# Altium PCB Bran_Main_Assay_PCB_v2.PcbDoc (part 2 of 15)
Units mil, origin at the board's own origin, x right, y up, seen from the top; angles counter-clockwise.
Board outline 3608.46 x 1899.79 mil, 6 copper layers (TOP, GND1, Singal, POWER, GND2, BOTTOM), stack 31.508 mil thick; 363 components, 288 nets, 1386 pads, 975 vias.
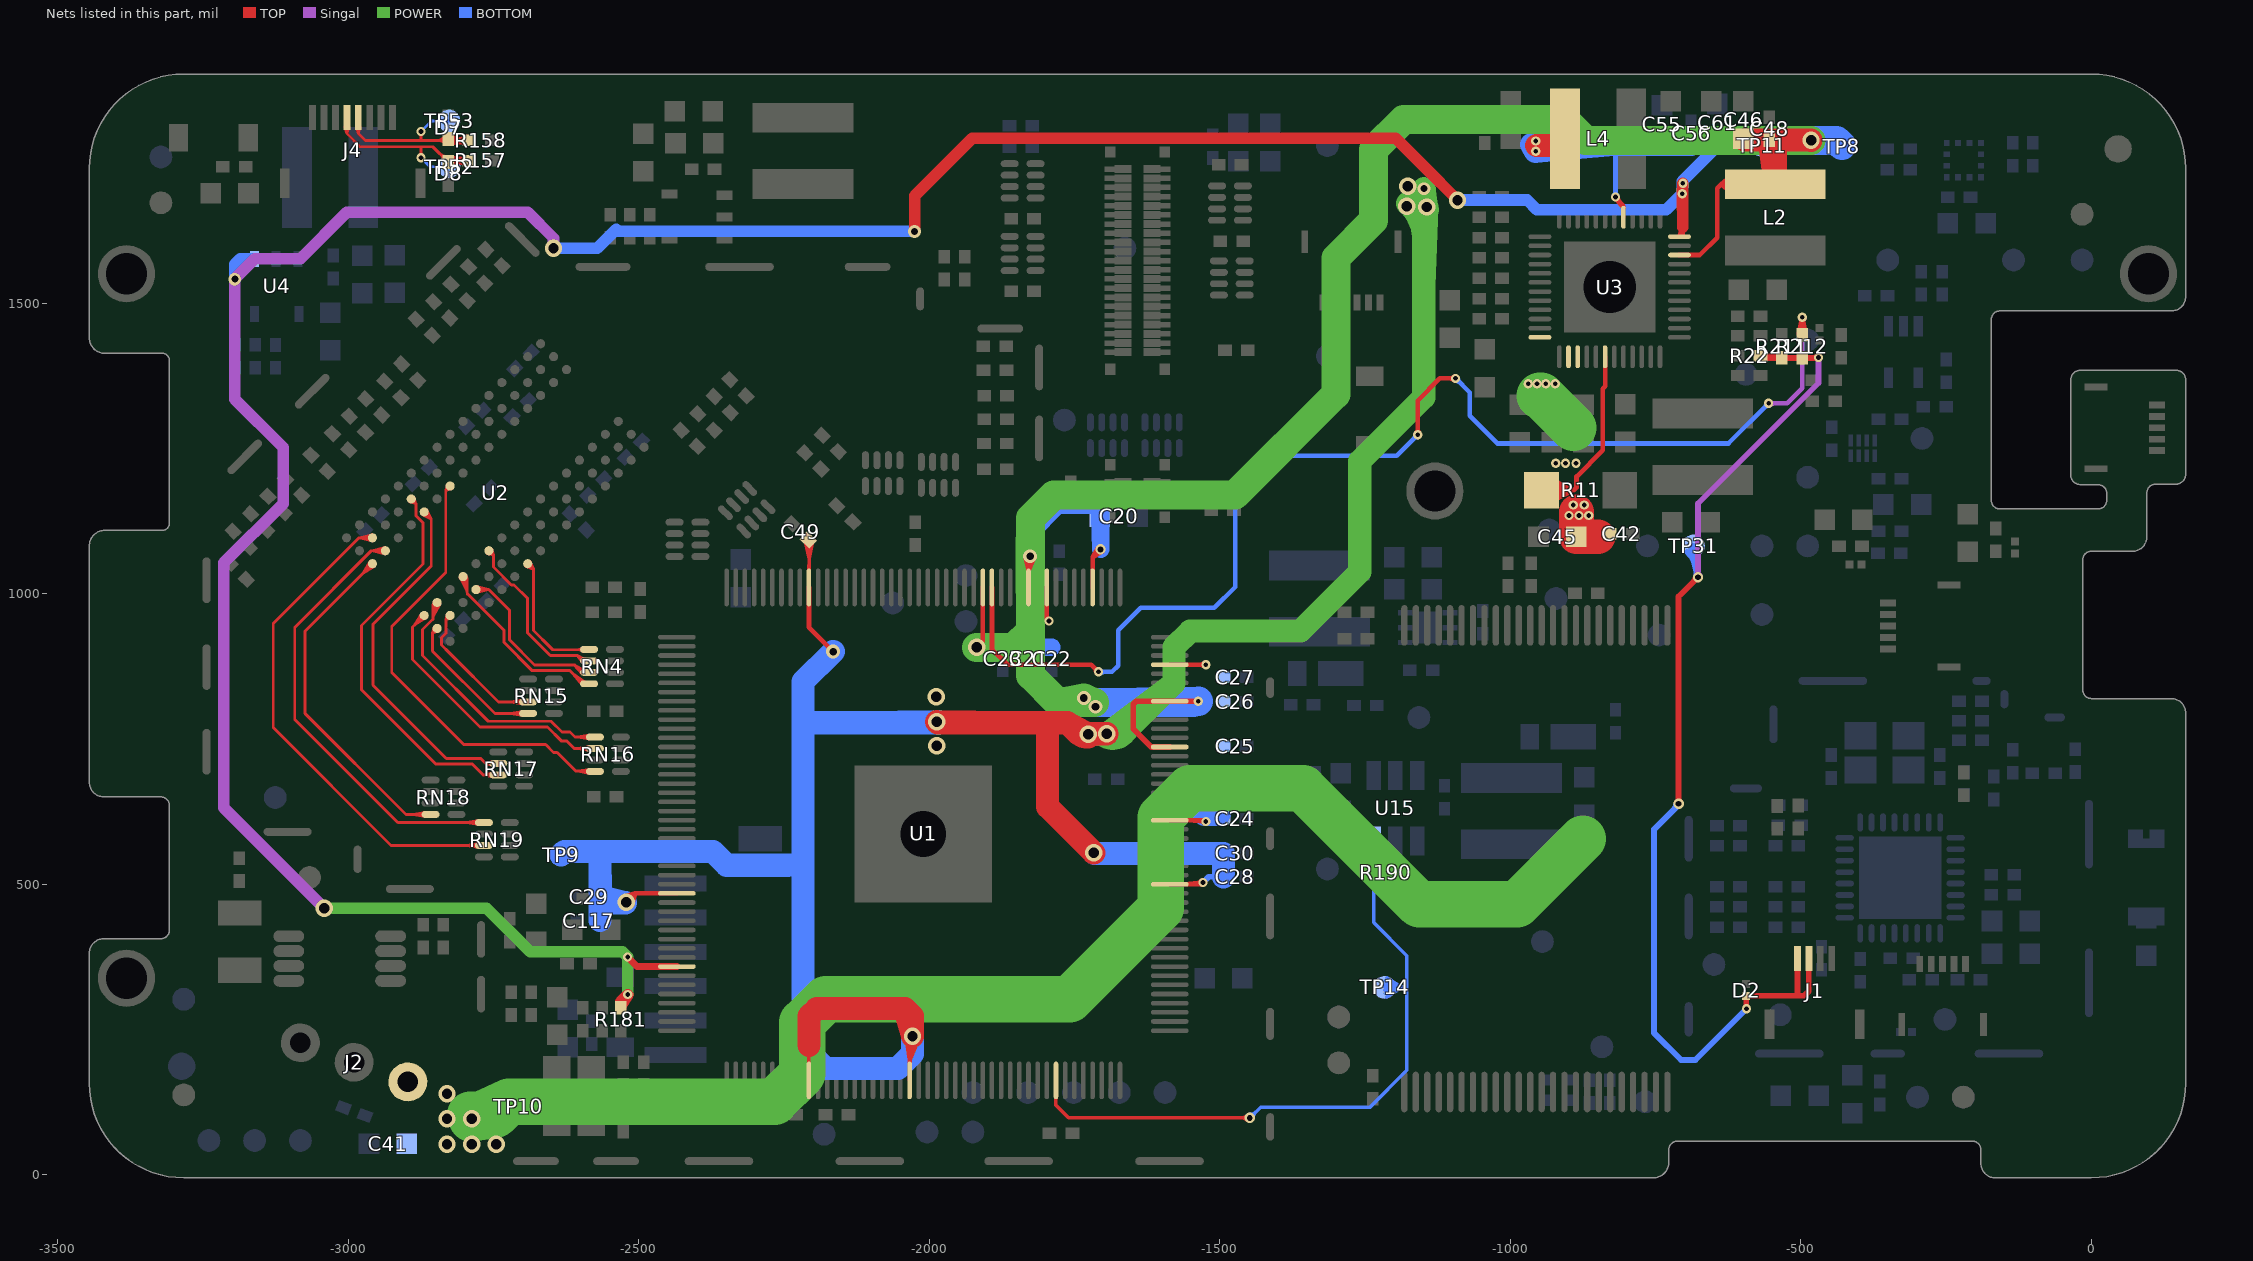
[diagram p6: the nets of this part, all layers, seen from the top]

## Via types
v1: diameter 16, hole 8, TOP to BOTTOM, tented both sides, 431 vias
v2: diameter 18, hole 10, TOP to BOTTOM, tented both sides, 257 vias
v3: diameter 22, hole 12, TOP to BOTTOM, tented both sides, 194 vias
v4: diameter 30, hole 18, TOP to BOTTOM, tented both sides, 69 vias
v5: diameter 24, hole 13, TOP to BOTTOM, tented both sides, 11 vias
v6: diameter 19.68, hole 7.87, TOP to BOTTOM, 9 vias
v7: diameter 22, hole 2, TOP to BOTTOM, tented both sides, 2 vias
v8: diameter 17.99, hole 10, TOP to BOTTOM, tented both sides, 1 vias
v9: diameter 20, hole 10, TOP to BOTTOM, tented both sides, 1 vias

## Nets (pads, with @x,y where several pads share a name; then routed paths per layer and width w, separated by ;. In a path a pad name is that pad's centre, name@x,y a point inside that pad or via, vN(x,y) a via of type N, cw(c..) or ccw(c..) an arc to the next point about the centre after c; other vN are vias at no path point) (continued)
A6: RN15.3 U2.R8 | length 436.3
  TOP w5: U2.R8@-2830.29,962.03 cw(c-2837.32,960.76) -2832.27,955.71 ; U2.R8@-2825.95,957.69 ccw(c-2827.22,950.66) -2832.27,955.71 ; RN15.3@-2702.63,811.61 ccw(c-2708.61,805.63) -2708.61,814.08 ccw(c-2708.61,822.53) RN15.3@-2702.63,816.56 ; RN15.3@-2701.29,810.77 -2706.42,814.37 ; RN15.3@-2701.29,817.39 -2706.42,813.79 ; RN15.3@-2700.98,810.68 -2706.42,813.79 ; RN15.3@-2700.98,817.48 -2706.42,814.37 ; RN15.3@-2700.45,810.59 -2721.16,814.08 ; RN15.3@-2700.45,817.57 -2721.16,814.08 ; RN15.3@-2690.66,814.08 -2741.88,814.08 -2826.57,898.77 -2840.01,912.22 -2840.01,924.66 -2832.27,932.4 -2832.27,955.71 ; -2832.27,955.71 U2.R8@-2825,962.98 ; -2832.27,955.71 -2829.66,965.66 -2832.27,955.71 ; -2832.27,955.71 -2822.32,958.32 -2832.27,955.71 ; -2832.27,955.71 U2.R8@-2825,962.98 ; -2832.27,955.71 U2.R8@-2825,962.98 ; -2721.16,814.08 RN15.3@-2700.16,814.08 ; -2706.42,813.79 RN15.3@-2700.16,814.08 ; -2706.42,814.37 RN15.3@-2700.16,814.08
A7: RN19.3 U2.R2 | length 1061.4
  TOP w5: U2.R2@-2962.43,1092.81 ccw(c-2971.6,1083.64) -2971.6,1096.61 ccw(c-2971.6,1109.59) U2.R2@-2962.43,1100.41 ; U2.R2@-2959.25,1091.27 -2981.74,1096.61 ; U2.R2@-2959.25,1101.95 -2981.74,1096.61 ; RN19.3@-2778.63,564.61 ccw(c-2784.61,558.63) -2784.61,567.08 ccw(c-2784.61,575.53) RN19.3@-2778.63,569.56 ; RN19.3@-2777.29,563.77 -2782.42,567.37 ; RN19.3@-2777.29,570.39 -2782.42,566.79 ; RN19.3@-2776.98,563.68 -2782.42,566.79 ; RN19.3@-2776.98,570.48 -2782.42,567.37 ; RN19.3@-2776.45,563.59 -2797.16,567.08 ; RN19.3@-2776.45,570.57 -2797.16,567.08 ; RN19.3@-2766.66,567.08 -2926.6,567.08 -3129.43,769.91 -3129.43,948.92 -2981.74,1096.61 ; -2981.74,1096.61 U2.R2@-2958.63,1096.61 -2981.74,1096.61 ; -2797.16,567.08 RN19.3@-2776.16,567.08 ; -2782.42,566.79 RN19.3@-2776.16,567.08 ; -2782.42,567.37 RN19.3@-2776.16,567.08
A8: RN15.4 U2.T8 | length 413.2
  TOP w5: U2.T8@-2852.61,940.01 cw(c-2860.97,938.93) -2855.01,932.97 ; U2.T8@-2851.9,943.45 -2855.01,932.97 ; U2.T8@-2847.97,935.37 ccw(c-2849.05,927.01) -2855.01,932.97 ; U2.T8@-2844.53,936.08 -2855.01,932.97 ; RN15.4@-2702.63,791.92 ccw(c-2708.61,785.94) -2708.61,794.39 ccw(c-2708.61,802.84) RN15.4@-2702.63,796.87 ; RN15.4@-2701.29,791.08 -2706.42,794.68 ; RN15.4@-2701.29,797.7 -2706.42,794.1 ; RN15.4@-2700.98,790.99 -2706.42,794.1 ; RN15.4@-2700.98,797.79 -2706.42,794.68 ; RN15.4@-2700.45,790.9 -2721.16,794.39 ; RN15.4@-2700.45,797.88 -2721.16,794.39 ; RN15.4@-2690.66,794.39 -2747.89,794.39 -2855.01,901.51 -2855.01,932.97 ; -2855.01,932.97 U2.T8@-2847.28,940.7 -2855.01,932.97 ; -2721.16,794.39 RN15.4@-2700.16,794.39 ; -2706.42,794.1 RN15.4@-2700.16,794.39 ; -2706.42,794.68 RN15.4@-2700.16,794.39
A9: RN19.1 U2.R3 | length 975.4
  TOP w5: U2.R3@-2940.16,1070.53 ccw(c-2949.33,1061.36) -2949.33,1074.33 ccw(c-2949.33,1087.31) U2.R3@-2940.16,1078.13 ; U2.R3@-2936.96,1068.99 -2960.57,1074.33 ; U2.R3@-2936.96,1079.67 -2960.57,1074.33 ; RN19.1@-2778.63,603.98 ccw(c-2784.61,598) -2784.61,606.45 ccw(c-2784.61,614.9) RN19.1@-2778.63,608.93 ; RN19.1@-2777.29,603.14 -2782.42,606.74 ; RN19.1@-2777.29,609.76 -2782.42,606.16 ; RN19.1@-2776.98,603.05 -2782.42,606.16 ; RN19.1@-2776.98,609.85 -2782.42,606.74 ; RN19.1@-2776.45,602.96 -2797.16,606.45 ; RN19.1@-2776.45,609.94 -2797.16,606.45 ; RN19.1@-2766.66,606.45 -2914.97,606.45 -3092.43,783.91 -3092.43,942.47 -2960.57,1074.33 ; -2960.57,1074.33 U2.R3@-2936.36,1074.33 -2960.57,1074.33 ; -2797.16,606.45 RN19.1@-2776.16,606.45 ; -2782.42,606.16 RN19.1@-2776.16,606.45 ; -2782.42,606.74 RN19.1@-2776.16,606.45
A10: RN4.2 U2.L7 | length 473.7
  TOP w5: U2.L7@-2760.97,1069.73 -2750.3,1066.43 ; U2.L7@-2760.86,1069.66 -2753.03,1068.3 ; U2.L7@-2760.11,1069.31 -2752.16,1069.17 ; U2.L7@-2757.6,1068.99 cw(c-2756.61,1060.12) -2750.3,1066.43 ; U2.L7@-2753.59,1077.11 -2750.3,1066.43 ; U2.L7@-2753.53,1076.99 -2752.16,1069.17 ; U2.L7@-2753.17,1076.24 -2753.03,1068.3 ; U2.L7@-2752.86,1073.73 ccw(c-2743.99,1072.74) -2750.3,1066.43 ; -2603.98,891.92 ccw(c-2595.16,900.74) RN4.2@-2595.16,888.26 ; RN4.2@-2597.92,882.61 -2601.4,889.93 ; RN4.2@-2597.73,882.39 -2605.99,893.92 ; RN4.2@-2593.56,887.88 -2601.4,889.93 ; RN4.2@-2593.24,887.69 -2605.99,893.92 ; U2.L7@-2758.2,1074.33 -2752.16,1069.17 ; U2.L7@-2758.2,1074.33 -2753.03,1068.3 ; U2.L7@-2758.2,1074.33 -2750.3,1066.43 ; -2750.3,1066.43 -2750.3,1046.1 -2719.61,1015.41 -2714.92,1015.41 -2691.43,991.92 -2691.43,932.9 -2679.41,920.88 -2668.02,909.5 -2652.44,893.92 -2605.99,893.92 ; -2605.99,893.92 -2595.16,884.76 -2601.4,889.93 ; -2605.99,893.92 RN4.2@-2598.99,886.92 ; RN4.2@-2598.99,886.92 -2587.83,886.92 RN4.2@-2585.66,884.76 RN4.2@-2598.99,886.92
A11: RN16.1 U2.R7 | length 881.8
  TOP w5: -2854.54,955.86 cw(c-2819.42,955.86) U2.R7@-2843.58,981.35 ; -2854.54,967.49 cw(c-2830.44,967.49) U2.R7@-2847.02,984.98 ; -2854.54,979.12 cw(c-2841.47,979.12) U2.R7@-2850.46,988.61 ; U2.R7@-2852.59,986.1 -2853.09,965.85 ; U2.R7@-2852.57,984.29 cw(c-2859.57,983.03) -2854.54,977.99 ; U2.R7@-2852.57,986.2 -2854.54,960.07 ; U2.R7@-2852.4,986.87 -2853.54,974.35 ; U2.R7@-2848.24,979.96 ccw(c-2849.51,972.96) -2854.54,977.99 ; U2.R7@-2843.3,981.64 -2853.54,974.35 ; U2.R7@-2842.38,983.04 -2853.09,965.85 ; U2.R7@-2842.29,983.24 -2854.54,960.07 ; RN16.1@-2587.54,751.1 ccw(c-2593.52,745.12) -2593.52,753.57 ccw(c-2593.52,762.02) RN16.1@-2587.54,756.05 ; RN16.1@-2586.2,750.26 -2591.33,753.86 ; RN16.1@-2586.2,756.88 -2591.33,753.28 ; RN16.1@-2585.89,750.17 -2591.33,753.28 ; RN16.1@-2585.89,756.97 -2591.33,753.86 ; RN16.1@-2585.36,750.08 -2606.07,753.57 ; RN16.1@-2585.36,757.06 -2606.07,753.57 ; RN16.1@-2575.57,753.57 -2609.86,753.57 -2618.45,762.16 -2632.43,762.16 -2651.19,780.92 -2759.42,780.92 -2872.43,893.93 -2872.43,938.88 -2854.54,956.77 -2854.54,977.99 ; -2854.54,960.07 U2.R7@-2847.28,985.25 ; -2854.54,977.99 U2.R7@-2847.28,985.25 ; -2854.54,977.99 -2851.94,987.93 -2854.54,977.99 ; -2854.54,977.99 -2844.6,980.59 -2854.54,977.99 ; -2854.54,977.99 U2.R7@-2847.28,985.25 ; -2854.54,977.99 U2.R7@-2847.28,985.25 ; -2853.54,974.35 U2.R7@-2847.28,985.25 ; -2853.09,965.85 U2.R7@-2847.28,985.25 ; -2606.07,753.57 RN16.1@-2585.07,753.57 ; -2591.33,753.28 RN16.1@-2585.07,753.57 ; -2591.33,753.86 RN16.1@-2585.07,753.57
A12: RN4.4 U2.N7 | length 726.3
  TOP w5: U2.N7@-2807.72,1027.78 -2795.46,1004.54 ; U2.N7@-2807.66,1027.63 -2796.81,1009.58 ; U2.N7@-2806.8,1026.28 -2796.38,1018.34 ; U2.N7@-2806.5,1025.95 cw(c-2832.21,999.69) -2795.46,999.69 ; U2.N7@-2803,1029.52 cw(c-2820.57,1011.58) -2795.46,1011.58 ; U2.N7@-2801.79,1024.5 cw(c-2800.53,1017.44) -2795.46,1022.51 ; U2.N7@-2799.5,1033.1 cw(c-2808.92,1023.48) -2795.46,1023.48 ; U2.N7@-2797.6,1031.38 -2796.38,1018.34 ; U2.N7@-2797.45,1028.85 ccw(c-2790.39,1027.58) -2795.46,1022.51 ; U2.N7@-2797.43,1030.63 -2796.81,1009.58 ; U2.N7@-2797.45,1030.74 -2795.46,1004.54 ; -2602.99,852.14 ccw(c-2595.16,859.97) RN4.4@-2595.16,848.89 ; -2600.36,849.51 cw(c-2604.48,845.39) RN4.4@-2598.66,845.39 ; RN4.4@-2597.73,843.02 -2613.29,862.44 ; RN4.4@-2595.16,845.39 -2613.29,862.44 ; RN4.4@-2592.95,848.1 -2613.29,862.44 ; U2.N7@-2802.74,1029.79 -2796.38,1018.34 ; U2.N7@-2802.74,1029.79 -2796.81,1009.58 ; U2.N7@-2802.74,1029.79 -2795.46,1004.54 ; U2.N7@-2802.74,1029.79 -2795.46,1022.51 ; U2.N7@-2802.74,1029.79 -2795.46,1022.51 ; -2795.46,1022.51 -2805.42,1025.13 -2795.46,1022.51 ; -2795.46,1022.51 -2798.08,1032.47 -2795.46,1022.51 ; -2795.46,1022.51 -2795.46,1000.58 -2732.43,937.55 -2732.43,916.77 -2683.58,867.92 -2618.78,867.92 RN4.4@-2598.78,847.92 ; RN4.4@-2598.78,847.92 RN4.4@-2585.66,845.39 -2588.2,847.92 RN4.4@-2598.78,847.92
A13: RN18.4 U2.T3 | length 854.4
  TOP w5: U2.T3@-2964,1052.06 cw(c-2976.98,1052.06) -2967.8,1042.89 cw(c-2958.63,1033.71) U2.T3@-2958.63,1046.69 ; U2.T3@-2963.45,1054.43 -2965.12,1044.95 ; U2.T3@-2963.22,1054.86 -2965.74,1045.57 ; U2.T3@-2962.85,1055.39 -2974.8,1035.89 ; U2.T3@-2956.26,1047.24 -2965.74,1045.57 ; U2.T3@-2955.83,1047.47 -2965.12,1044.95 ; U2.T3@-2955.3,1047.84 -2974.8,1035.89 ; RN18.4@-2870.63,617.92 ccw(c-2876.61,611.94) -2876.61,620.39 ccw(c-2876.61,628.84) RN18.4@-2870.63,622.87 ; RN18.4@-2869.29,617.08 -2874.42,620.68 ; RN18.4@-2869.29,623.7 -2874.42,620.1 ; RN18.4@-2868.98,616.99 -2874.42,620.1 ; RN18.4@-2868.98,623.79 -2874.42,620.68 ; RN18.4@-2868.45,616.9 -2889.16,620.39 ; RN18.4@-2868.45,623.88 -2889.16,620.39 ; RN18.4@-2858.66,620.39 -2900.89,620.39 -3074.43,793.93 -3074.43,936.26 U2.T3@-2958.63,1052.06 ; -2974.8,1035.89 U2.T3@-2958.63,1052.06 ; -2965.74,1045.57 U2.T3@-2958.63,1052.06 ; -2965.12,1044.95 U2.T3@-2958.63,1052.06 ; -2889.16,620.39 RN18.4@-2868.16,620.39 ; -2874.42,620.1 RN18.4@-2868.16,620.39 ; -2874.42,620.68 RN18.4@-2868.16,620.39
A14: RN16.2 U2.T7 | length 722.2
  TOP w5: U2.T7@-2874.92,962.98 cw(c-2887.9,962.98) -2878.72,953.81 cw(c-2869.55,944.63) U2.T7@-2869.55,957.61 ; U2.T7@-2874.37,965.35 -2876.04,955.87 ; U2.T7@-2874.13,965.78 -2876.66,956.49 ; U2.T7@-2873.77,966.31 -2885.72,946.81 ; U2.T7@-2867.18,958.16 -2876.66,956.49 ; U2.T7@-2866.75,958.4 -2876.04,955.87 ; U2.T7@-2866.22,958.76 -2885.72,946.81 ; RN16.2@-2587.54,731.41 ccw(c-2593.52,725.43) -2593.52,733.88 ccw(c-2593.52,742.33) RN16.2@-2587.54,736.36 ; RN16.2@-2586.2,730.57 -2591.33,734.17 ; RN16.2@-2586.2,737.19 -2591.33,733.59 ; RN16.2@-2585.89,730.48 -2591.33,733.59 ; RN16.2@-2585.89,737.28 -2591.33,734.17 ; RN16.2@-2585.36,730.39 -2606.07,733.88 ; RN16.2@-2585.36,737.37 -2606.07,733.88 ; RN16.2@-2575.57,733.88 -2611.39,733.88 -2624.67,747.16 -2633.67,747.16 -2657.43,770.92 -2773.42,770.92 -2889.43,886.93 -2889.43,943.1 U2.T7@-2869.55,962.98 ; -2885.72,946.81 U2.T7@-2869.55,962.98 ; -2876.66,956.49 U2.T7@-2869.55,962.98 ; -2876.04,955.87 U2.T7@-2869.55,962.98 ; -2606.07,733.88 RN16.2@-2585.07,733.88 ; -2591.33,733.59 RN16.2@-2585.07,733.88 ; -2591.33,734.17 RN16.2@-2585.07,733.88
AVCC: C61.1 R181.2 TP11.1 U1.81 U3.12 U4.1 | length 6029.2
  TOP w8: U3.12@-708.94,1614.86 ccw(c-709,1620.91) -702.94,1620.91 ; U3.12@-708.89,1614.88 ccw(c-723.25,1629.24) -702.94,1629.24 ; -703.64,1623.98 U3.12@-708.94,1614.92 ; U3.12@-702.94,1614.99 -703.02,1614.92 U3.12@-708.94,1614.92 ; U3.12@-708.94,1614.92 -702.94,1620.91 ; U3.12@-708.94,1614.92 -702.94,1630.99 -702.94,1620.91 ; U3.12@-708.94,1614.92 -702.94,1620.91
  TOP w12: v1(-2519.46,375) -2503.04,358.57 ; U1.81@-2463.18,358.57 -2503.04,358.57 ; U1.81@-2434.64,358.57 -2503.04,358.57
  TOP w20: R181.2@-2531.46,289.65 cw(c-2512.16,289.65) -2525.8,303.29 ; R181.2@-2531.3,287.68 -2531.3,297.8 -2519.02,310.08 R181.2@-2531.3,289.65 ; v3(-2025.46,1624) -2025.46,1685.47 -1926.46,1784.47 -1197.43,1784.47 v4(-1090.94,1677.99) -1148.37,1735.42 ; -702.94,1638.99 v1(-702.94,1706.99) ; v1(-703.94,1688.99) v1(-702.94,1706.99) ; v1(-703.94,1688.99) -702.94,1630.99 -702.94,1688.99 v1(-702.94,1706.99) ; v1(-703.94,1688.99) v1(-702.94,1706.99)
  Singal w20: -3195.45,1470.74 v3(-3195.45,1541.74) ; -3098.89,516.43 v4(-3041.46,459) -3214.46,632 -3214.46,1053.47 -3112.43,1155.51 -3112.43,1251.98 -3195.45,1335 v3(-3195.45,1541.74) ; v3(-3195.45,1541.74) -3195.45,1542.74 -3160.95,1577.24 -3082.46,1577.24 -3002.84,1656.86 -2691.33,1656.86 -2647.02,1612.55 ; -2647.02,1612.55 v4(-2647.02,1595.31) -2647.02,1612.55
  POWER w20: v4@-3039.46,461 v4(-3041.46,459) -2762.3,459 -2687.13,383.83 -2528.29,383.83 ; -2528.29,383.83 v1(-2519.46,375) ; -2528.29,383.83 v1(-2519.46,375) ; -2528.29,383.83 v1(-2519.46,375) ; v1(-2519.46,375) v1(-2519.02,310.45) ; v1(-2519.46,375) v1(-2519.02,310.45) ; v1(-2519.46,375) -2519.02,374.55 v1(-2519.02,310.45)
  BOTTOM w20: v3(-3195.45,1541.74) -3195.45,1567.74 -3186.45,1576.74 ; v4(-2647.02,1595.31) -2571.63,1595.31 -2538.94,1627.99 -2534.95,1624 v3(-2025.46,1624) -2096.46,1624 ; v4(-1090.94,1677.99) -970.94,1677.99 -954.26,1661.31 -731.63,1661.31 ; v1(-702.94,1706.99) v1(-703.94,1688.99) ; -662.7,1751.86 ccw(c-689.16,1778.33) C61.1@-651.73,1778.33 ; -656.75,1759.61 C61.1@-644.02,1778.33 ; C61.1@-638.56,1772.87 cw(c-625.39,1759.7) -625.39,1778.33 cw(c-625.39,1796.96) C61.1@-638.56,1783.78 ; TP11.1@-566.93,1771.65 -573.6,1778.33 C61.1@-644.02,1778.33 ; -3186.45,1576.74 U4.1@-3161.85,1576.74 -3186.45,1576.74 ; -731.63,1661.31 v1(-703.94,1688.99) ; -731.63,1661.31 v1(-703.94,1688.99) ; v1(-703.94,1688.99) -703.94,1706.99 -703.94,1710.61 -644.02,1770.54 C61.1@-644.02,1778.33
BA0: RN17.3 U2.M2 | length 863.6
  TOP w5: U2.M2@-2894.6,1158.81 -2883.93,1155.52 ; U2.M2@-2894.48,1158.74 -2886.66,1157.39 ; U2.M2@-2893.73,1158.38 -2885.8,1158.26 ; U2.M2@-2891.22,1158.07 cw(c-2890.22,1149.22) -2883.93,1155.52 ; U2.M2@-2887.23,1166.19 -2883.93,1155.52 ; U2.M2@-2887.16,1166.07 -2885.8,1158.26 ; U2.M2@-2886.8,1165.32 -2886.66,1157.39 ; U2.M2@-2886.49,1162.81 ccw(c-2877.63,1161.82) -2883.93,1155.52 ; RN17.3@-2754,686.19 ccw(c-2759.98,680.21) -2759.98,688.66 ccw(c-2759.98,697.11) RN17.3@-2754,691.14 ; RN17.3@-2752.66,685.35 -2757.79,688.95 ; RN17.3@-2752.66,691.97 -2757.79,688.37 ; RN17.3@-2752.35,685.26 -2757.79,688.37 ; RN17.3@-2752.35,692.06 -2757.79,688.95 ; RN17.3@-2751.9,685.18 -2768.17,688.66 ; RN17.3@-2751.9,692.14 -2768.17,688.66 ; RN17.3@-2742.03,688.66 -2768.17,688.66 ; U2.M2@-2891.83,1163.41 -2885.8,1158.26 ; U2.M2@-2891.83,1163.41 -2886.66,1157.39 ; U2.M2@-2891.83,1163.41 -2883.93,1155.52 ; -2883.93,1155.52 -2883.93,1135.18 -2871.43,1122.68 -2871.43,1051.77 -2977.43,945.77 -2977.43,834.92 -2849.43,706.92 -2786.43,706.92 -2768.17,688.66 ; -2768.17,688.66 RN17.3@-2751.53,688.66 ; -2757.79,688.37 RN17.3@-2751.53,688.66 ; -2757.79,688.95 RN17.3@-2751.53,688.66
BA1: RN4.3 U2.N8 | length 465.2
  TOP w5: U2.N8@-2780.46,1007.52 -2758.54,1007.52 ; U2.N8@-2779.8,1002.19 -2758.54,1007.52 ; U2.N8@-2779.8,1012.86 -2758.54,1007.52 ; U2.N8@-2776.66,1003.72 cw(c-2767.48,994.55) -2767.48,1007.52 cw(c-2767.48,1020.5) U2.N8@-2776.66,1011.32 ; -2606.61,873.33 ccw(c-2595.16,884.78) RN4.3@-2595.16,868.58 ; RN4.3@-2597.64,862.61 -2603.26,870.75 ; RN4.3@-2597.57,862.54 -2611.21,877.92 ; RN4.3@-2593.69,868.26 -2603.26,870.75 ; RN4.3@-2593.21,867.99 -2611.21,877.92 ; -2758.54,1007.52 -2722.43,971.41 -2722.43,920.92 -2679.43,877.92 -2611.21,877.92 ; -2611.21,877.92 -2595.16,865.08 -2603.26,870.75 ; -2611.21,877.92 RN4.3@-2599.21,865.92 ; RN4.3@-2599.21,865.92 -2586.51,865.92 RN4.3@-2585.66,865.08 RN4.3@-2599.21,865.92
BA2: RN17.2 U2.M3 | length 815.6
  TOP w5: U2.M3@-2872.71,1136.79 -2857.43,1129.02 ; U2.M3@-2872.35,1136.56 -2863.06,1134.03 ; U2.M3@-2871.92,1136.32 -2862.43,1134.65 ; U2.M3@-2869.55,1135.77 cw(c-2869.55,1122.79) -2860.37,1131.97 cw(c-2851.2,1141.14) U2.M3@-2864.17,1141.14 ; U2.M3@-2865.2,1144.3 -2857.43,1129.02 ; U2.M3@-2864.96,1143.94 -2862.43,1134.65 ; U2.M3@-2864.72,1143.51 -2863.06,1134.03 ; RN17.2@-2754,705.87 ccw(c-2759.98,699.89) -2759.98,708.34 ccw(c-2759.98,716.79) RN17.2@-2754,710.82 ; RN17.2@-2752.66,705.03 -2757.79,708.63 ; RN17.2@-2752.66,711.65 -2757.79,708.05 ; RN17.2@-2752.35,704.94 -2757.79,708.05 ; RN17.2@-2752.35,711.74 -2757.79,708.63 ; RN17.2@-2752.03,704.88 -2763.69,708.34 ; RN17.2@-2752.03,711.81 -2763.69,708.34 ; RN17.2@-2742.03,708.34 -2763.69,708.34 ; U2.M3@-2869.55,1141.14 -2862.43,1134.65 ; U2.M3@-2869.55,1141.14 -2863.06,1134.03 ; U2.M3@-2869.55,1141.14 -2857.43,1129.02 ; -2857.43,1129.02 -2857.43,1047.92 -2957.43,947.92 -2957.43,842.92 -2831.43,716.92 -2772.27,716.92 -2763.69,708.34 ; -2763.69,708.34 RN17.2@-2751.53,708.34 ; -2757.79,708.05 RN17.2@-2751.53,708.34 ; -2757.79,708.63 RN17.2@-2751.53,708.34
BAT: C41.2 C42.2 C45.1 J2.1 R11.1 TP10.1 U3.38 U3.39 U3.42 | length 4106
  TOP w8: R11.1@-951.34,1178.31 R11.1@-946.34,1178.31 -891.02,1178.31 ; R11.1@-946.34,1176.73 -906.94,1175.47 ; R11.1@-946.34,1179.88 -906.94,1181.14 ; R11.1@-945.43,1168.43 -892.42,1178.31 ; R11.1@-945.43,1188.19 -892.42,1178.31 ; R11.1@-945.41,1166.86 -906.94,1175.47 ; R11.1@-945.41,1189.76 -906.94,1181.14 ; R11.1@-944.78,1170.08 -906.94,1181.14 ; R11.1@-944.78,1186.53 -906.94,1175.47 ; R11.1@-943.36,1160.64 -892.42,1178.31 ; R11.1@-943.36,1195.98 -892.42,1178.31 ; R11.1@-942.83,1159.16 -906.94,1175.47 ; R11.1@-942.83,1197.46 -906.94,1181.14 ; R11.1@-941.71,1162.57 -906.94,1181.14 ; R11.1@-941.71,1194.05 -906.94,1175.47 ; R11.1@-940.11,1153.15 -892.42,1178.31 ; R11.1@-940.11,1203.47 -892.42,1178.31 ; R11.1@-938.61,1151.99 -906.94,1175.47 ; R11.1@-938.61,1204.62 -906.94,1181.14 ; R11.1@-937.04,1155.69 -906.94,1181.14 ; R11.1@-937.04,1200.93 -906.94,1175.47 ; R11.1@-932.57,1166.84 cw(c-908.09,1146.45) -908.09,1178.31 cw(c-908.09,1210.16) R11.1@-932.57,1189.78 ; R11.1@-926.42,1161.72 cw(c-891.02,1132.24) -891.02,1178.31 ; R11.1@-926.42,1194.9 ccw(c-891.02,1224.38) -891.02,1178.31 ; -836.89,1364.54 U3.42@-836.89,1392.48 ; U3.42@-836.89,1408.23 -836.89,1357.4 -841.02,1353.28 -841.02,1247.06 -886.02,1202.06 -886.02,1183.31 -891.02,1178.31
  TOP w20: R11.1@-946.34,1158.13 R11.1@-946.34,1178.31
  TOP w60: v1@-885.89,1140.83 -885.89,1134.99 -885.89,1098.94 C45.1@-886.52,1098.31 -881.94,1098.31 -864.94,1098.31 -849.02,1098.31
  POWER w80: v4@-2790.02,103.31 -2787.8,103.31 -2747.02,103.31 ; -949.02,1341.31 -947.02,1341.31 -945.32,1339.61 -891.65,1285.94 ; -875.45,578.52 -988.23,465.74 -1157.19,465.74 -1356.72,665.27 -1552.06,665.27 -1601.39,615.93 -1601.39,459.38 -1758.46,302.31 -2178.56,302.31 -2218.45,262.41 -2218.45,173.87 -2266.32,126 -2724.32,126 ; v4(-2787.8,96.99) -2747.02,103.31 ; v4(-2787.8,96.99) -2747.02,103.31 ; v4(-2787.8,96.99) -2724.32,126 ; -2747.02,103.31 -2724.32,126
  other v1: -898.94,1134.99 -881.94,1134.99 -864.94,1134.99 -891.94,1152.99 -872.94,1152.99 -921.94,1224.99 -904.94,1224.99 -886.94,1224.99 -969.02,1361.99 -954.02,1361.99 -938.94,1361.99 -922.94,1361.99
  other v4: -2830.3,52.99 -2787.8,52.99 -2745.3,52.99 -2830.3,96.99 -2830.3,139.99
BOOST_EN: R190.1 TP14.1 U1.125 U15.3 | length 3014.8
  TOP w5: U1.125@-1782.08,158 U1.125@-1782.08,162.71
  TOP w6: U1.125@-1782.08,134.17 -1782.08,119.9 ; U1.125@-1782.08,158 -1782.08,119.9 ; -1463.69,98.31 cw(c-1463.69,82.77) v2@-1452.71,93.76 ; -1462.21,98.31 ccw(c-1462.21,111.74) v2@-1452.71,102.24 ; v2(-1448.46,98) -1448.77,98.31 -1760.49,98.31 -1782.08,119.9
  BOTTOM w6: v2(-1448.46,98) -1429.73,116.73 -1241.54,116.73 -1178.02,180.26 -1178.02,323 ; v2@-1448.46,104 ccw(c-1448.46,118.49) -1438.22,108.24 ccw(c-1427.98,98) v2@-1442.46,98 ; U15.3@-1244.91,562.21 -1238.88,531.6 ; U15.3@-1244.8,561.12 -1235.42,532.1 ; U15.3@-1244.76,560.89 -1234.65,532.07 ; U15.3@-1244.65,560.37 -1236.2,545.6 ; U15.3@-1244.45,559.65 -1230.14,531.15 ; U15.3@-1244.41,559.53 -1234.63,545.6 ; R190.1@-1242.71,519.04 -1236.06,507.53 ; R190.1@-1242.71,522.61 -1236.06,534.12 ; U15.3@-1242.13,555.88 cw(c-1258.35,539.67) -1235.42,539.67 cw(c-1212.48,539.67) U15.3@-1228.7,555.88 ; R190.1@-1240.94,515.99 cw(c-1254.28,502.65) -1235.42,502.65 ; R190.1@-1240.96,521.35 -1235.42,548.72 ; R190.1@-1240.94,525.67 ccw(c-1254.28,539) -1235.42,539 ; R190.1@-1240.78,519.21 -1234.93,509.63 ; R190.1@-1240.78,522.44 -1234.93,532.02 ; U15.3@-1238.88,562.08 -1234.63,545.6 ; U15.3@-1238.9,562.31 -1234.65,532.07 ; U15.3@-1238.91,562.8 -1238.88,531.6 ; U15.3@-1238.83,561.84 -1230.14,531.15 ; -1235.42,505.96 cw(c-1221.24,505.96) R190.1@-1231.26,515.99 ; -1235.42,535.69 ccw(c-1221.24,535.69) R190.1@-1231.26,525.67 ; U15.3@-1235.42,575.1 -1235.42,520.83 -1235.42,434.5 -1178.02,377.1 -1178.02,323 ; U15.3@-1231.96,562.02 -1238.88,531.6 ; U15.3@-1231.95,562.08 -1236.2,545.6 ; U15.3@-1231.94,562.99 -1230.14,531.15 ; U15.3@-1231.92,562.49 -1234.65,532.07 ; R190.1@-1229.48,519.09 -1236.06,507.53 ; R190.1@-1229.48,522.57 -1236.06,534.12 ; R190.1@-1227.78,518.28 -1234.93,509.63 ; R190.1@-1227.78,523.37 -1234.93,532.02 ; R190.1@-1227.39,521.98 -1235.42,548.72 ; U15.3@-1226.42,559.53 -1236.2,545.6 ; U15.3@-1226.25,560.12 -1238.88,531.6 ; U15.3@-1226.18,560.37 -1234.63,545.6 ; U15.3@-1226.03,561.12 -1235.42,532.1 ; U15.3@-1226,561.36 -1234.65,532.07 ; U15.3@-1225.92,562.76 -1230.14,531.15 ; TP14.1@-1216.38,318.15 -1188.63,321.39 ; TP14.1@-1216.42,327.52 -1188.33,324.49 ; TP14.1@-1216.37,323 -1178.02,323 ; TP14.1@-1215.87,318.2 -1188.33,324.49 ; TP14.1@-1215.9,327.48 -1188.63,321.39 ; TP14.1@-1215.13,333.43 -1188.33,324.49 ; TP14.1@-1215.04,312.26 -1188.63,321.39 ; TP14.1@-1213.95,333.2 -1188.63,321.39 ; TP14.1@-1213.9,312.48 -1188.33,324.49 ; TP14.1@-1212.55,339.04 -1188.33,324.49 ; TP14.1@-1212.38,306.67 -1188.63,321.39 ; TP14.1@-1210.74,338.48 -1188.63,321.39 ; TP14.1@-1210.68,307.21 -1188.33,324.49 ; TP14.1@-1208.79,330.2 ccw(c-1192.01,346.17) -1192.01,323 ; TP14.1@-1208.69,315.58 cw(c-1191.73,299.91) -1191.73,323 ; TP14.1@-1204.45,334.34 ccw(c-1178.02,359.48) -1178.02,323 ; TP14.1@-1204.28,311.51 cw(c-1178.02,287.24) -1178.02,323 ; U15.3@-1244.34,559.35 -1235.42,548.72 ; U15.3@-1244.34,559.35 -1235.42,548.72 ; U15.3@-1244.34,559.35 -1235.42,548.72 ; -1238.88,531.6 U15.3@-1235.42,562.6 ; U15.3@-1238.89,562.16 -1235.42,548.72 ; U15.3@-1238.89,562.16 -1235.42,548.72 ; U15.3@-1238.89,562.16 -1235.42,548.72 ; -1236.2,545.6 U15.3@-1235.42,562.6 ; -1236.2,545.6 -1238.91,562.4 -1235.42,532.1 ; -1236.06,507.53 -1236.1,520.83 -1236.06,534.12 ; -1235.42,532.1 U15.3@-1235.42,562.6 ; -1235.42,532.1 -1231.92,562.4 -1234.63,545.6 ; -1235.42,548.72 U15.3@-1235.42,562.6 ; -1235.42,548.72 U15.3@-1231.94,562.16 ; -1235.42,548.72 U15.3@-1226.49,559.35 ; -1235.42,548.72 U15.3@-1235.42,562.6 ; -1235.42,548.72 U15.3@-1231.94,562.16 ; -1235.42,548.72 U15.3@-1226.49,559.35 ; -1235.42,548.72 U15.3@-1235.42,562.6 ; -1235.42,548.72 U15.3@-1231.94,562.16 ; -1235.42,548.72 U15.3@-1226.49,559.35 ; -1235.42,548.72 R190.1@-1234.13,520.83 ; U15.3@-1235.42,562.6 -1234.65,532.07 ; U15.3@-1235.42,562.6 -1230.14,531.15 ; U15.3@-1235.42,562.6 -1234.63,545.6 ; -1234.93,509.63 R190.1@-1234.13,520.83 ; -1234.93,532.02 R190.1@-1234.13,520.83 ; -1188.63,321.39 TP14.1@-1216.54,322.83 -1188.33,324.49